# Altium PCB HIVE_SIGHT.PcbDoc (part 4 of 4)
Units mil, origin at the board's own origin, x right, y up, seen from the top; angles counter-clockwise.
Board outline 2755.91 x 4245.66 mil, 4 copper layers (Top, GND, PWR, Bottom), stack 60.394 mil thick; 270 components, 195 nets, 1094 pads, 396 vias.
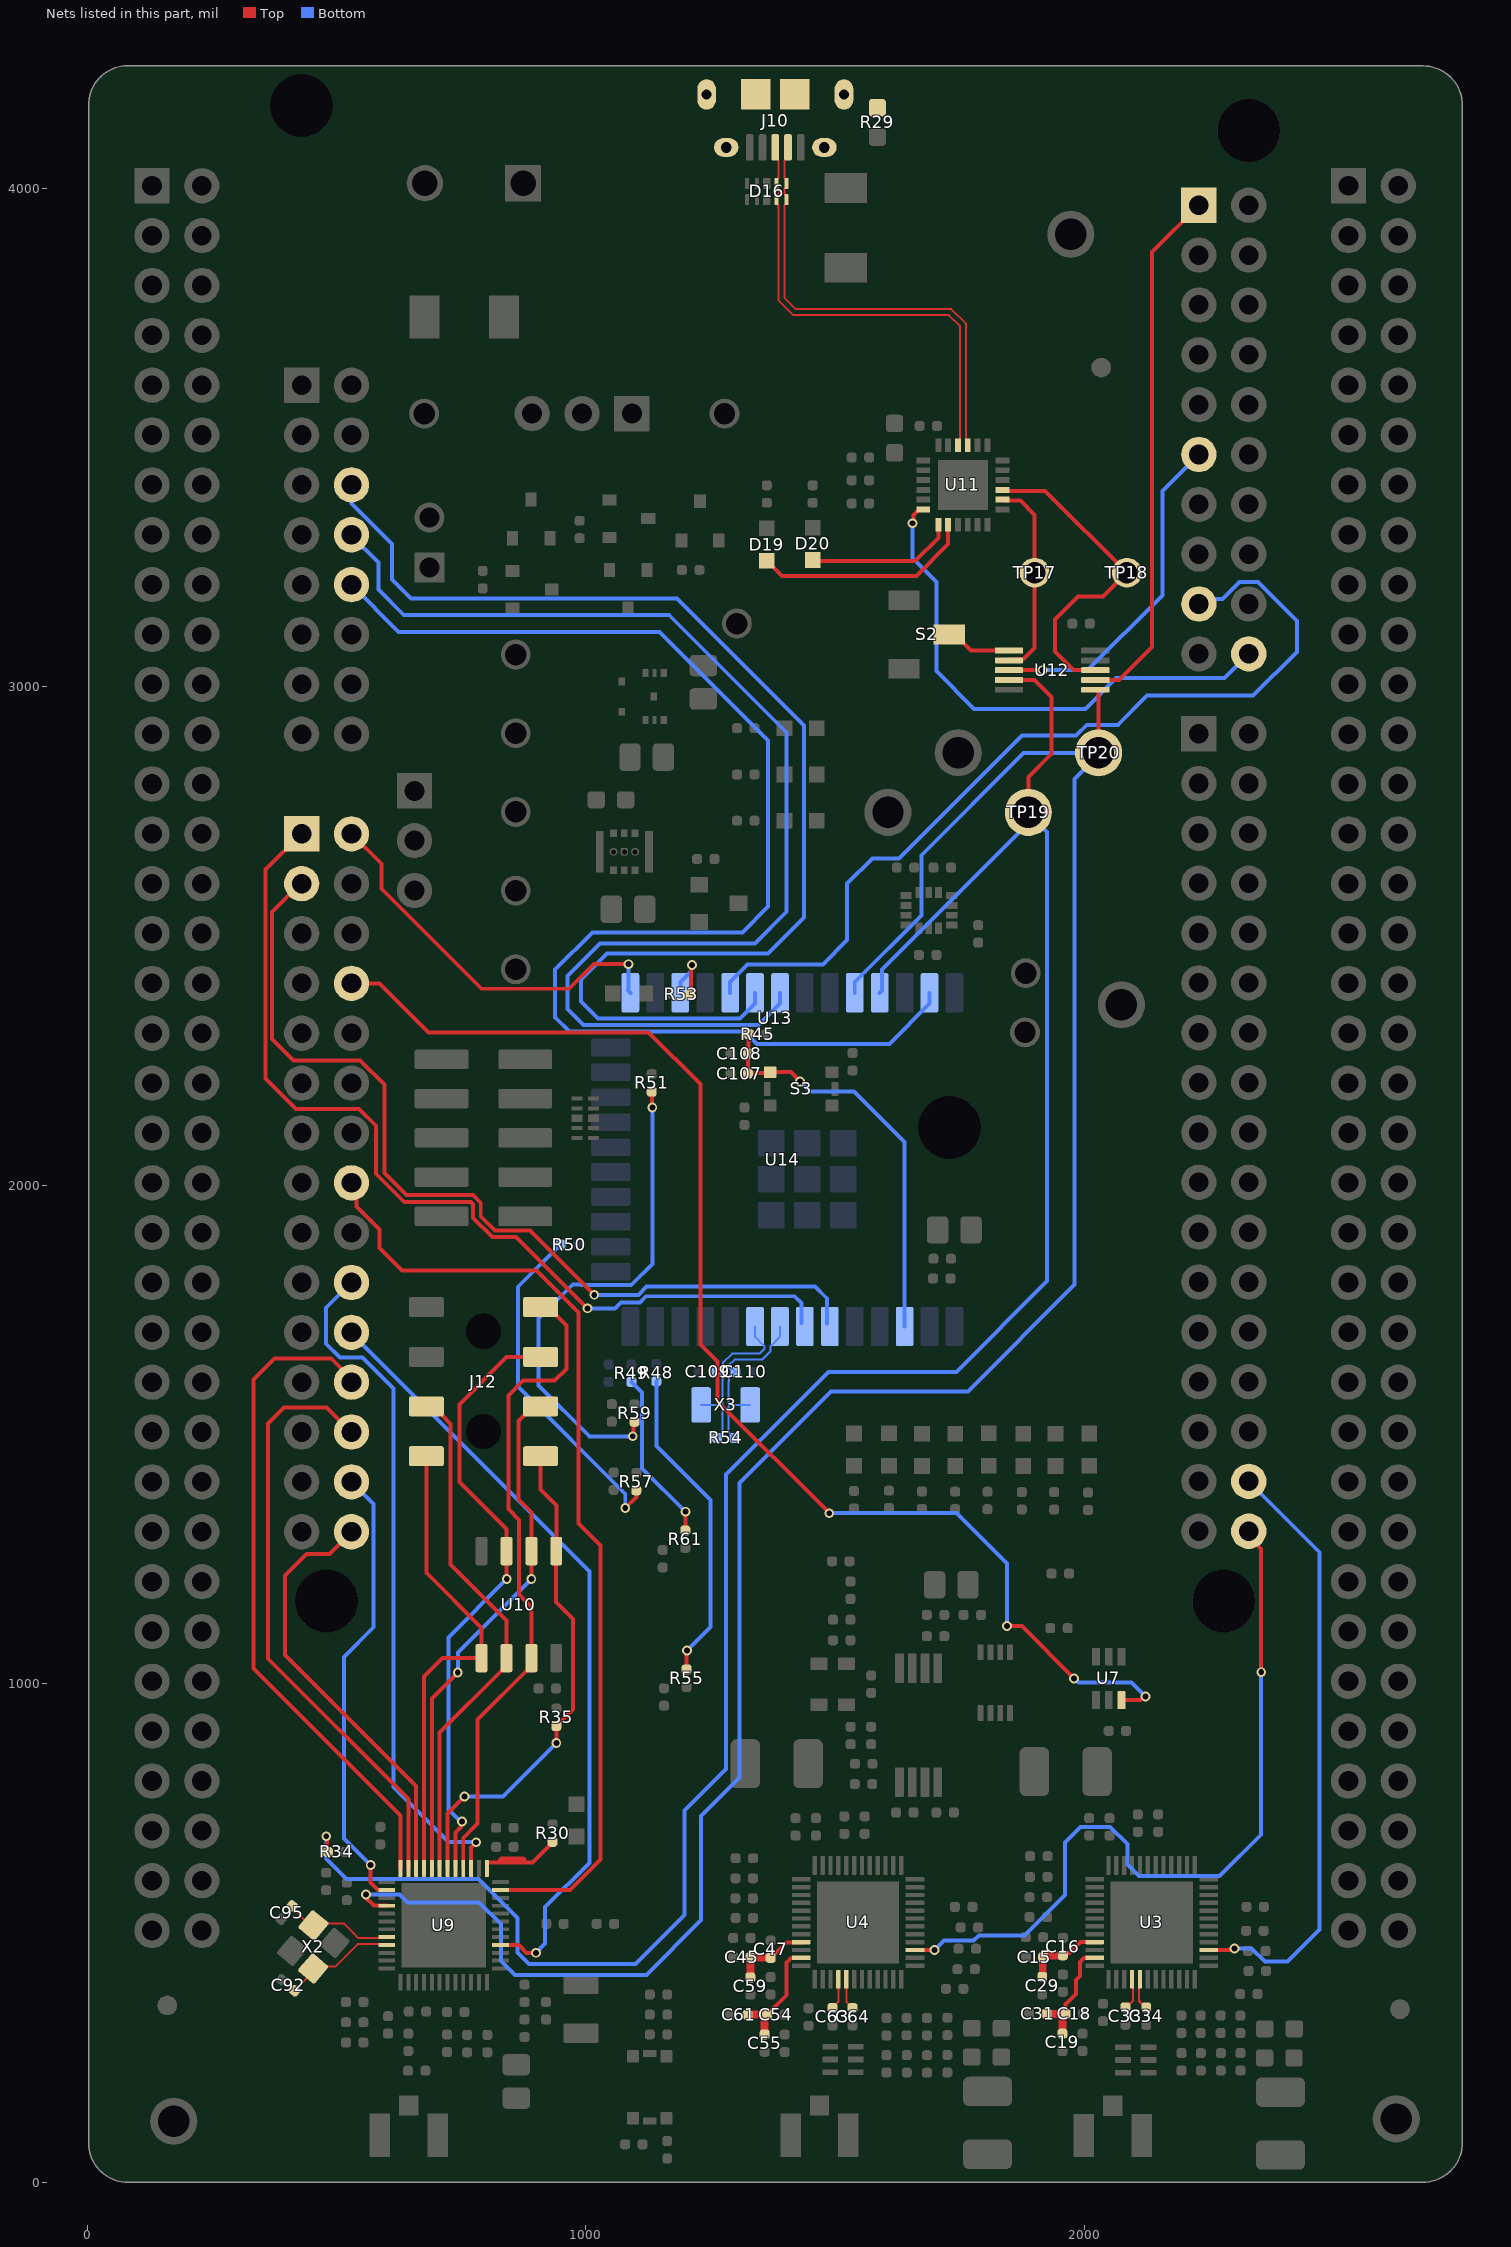
[diagram p6: the nets of this part, all layers, seen from the top]

## Via types
v1: diameter 19.68, hole 11.81, Top to Bottom, tented both sides, 346 vias
v2: diameter 19.68, hole 11.81, Top to Bottom, 18 vias
v3: diameter 19.68, hole 10, Top to Bottom, 16 vias
v4: diameter 15.75, hole 10, Top to Bottom, 12 vias
v5: diameter 20, hole 10, Top to Bottom, 4 vias

## Nets (pads, with @x,y where several pads share a name; then routed paths per layer and width w, separated by ;. In a path a pad name is that pad's centre, name@x,y a point inside that pad or via, vN(x,y) a via of type N, cw(c..) or ccw(c..) an arc to the next point about the centre after c; other vN are vias at no path point) (continued)
NetU7_6: U7.6 U13.CN9-8 | length 2662.8
  Top w8: U13.CN9-8@529.63,2405.33 586.24,2405.33 684.3,2307.27 1125.89,2307.27 1229.44,2203.72 1229.44,1680.73 1263.75,1646.41 1263.75,1566.95 v1(1488.19,1342.52) ; v1(1844.49,1116.14) 1874.39,1116.14 v1(1979.35,1011.18) ; U7.6@2074.42,967.71 2112.2,967.71 2119.36,974.87 v1(2122.52,974.87)
  Bottom w8: v1(1488.19,1342.52) 1743.4,1342.52 1844.49,1241.43 v1(1844.49,1116.14) ; v1(1979.35,1011.18) 1987.68,1002.85 2094.54,1002.85 v1(2122.52,974.87)
NetU9_16: U9.16 U13.CN9-22 | length 1564.2
  Top w8: U9.16@828.74,476.38 865.49,476.38 881.24,460.63 v1(899.61,460.63)
  Bottom w8: U13.CN9-22@529.63,1705.33 529.63,1702.82 1006.93,1225.52 1006.93,640.86 918.26,552.18 918.26,479.28 v1(899.61,460.63)
NetU9_23: U9.23 U13.CN9-16 | length 1949.1
  Top w8: U13.CN9-16@529.63,2005.33 539.9,1995.06 539.9,1957.89 586.3,1911.5 586.3,1874.32 630.93,1829.69 900.85,1829.69 985.25,1745.28 985.25,1321.86 1029.68,1277.43 1029.68,647.79 968.5,586.61 U9.23@828.74,586.61
NetU9_27: U9.27 U13.CN9-20 | length 1384.8
  Top w8: U9.27@769.68,629.92 769.68,672.02 779.84,682.18 v1(779.84,682.55)
  Bottom w8: U13.CN9-20@529.63,1805.33 478.13,1753.82 478.13,1683.18 506.57,1654.74 552.25,1654.74 614.41,1592.58 614.41,793.07 724.38,683.1 779.29,683.1 v1(779.84,682.55)
NetU11_12: U11.12 U13.CN7-20 | length 1061.7
  Top w8: v1(1654.93,3328.36) 1657.17,3330.6 1657.17,3344.67 1668.56,3356.06 U11.12@1676.43,3356.06
  Bottom w8: v1(1654.93,3328.36) 1654.93,3258.84 1702.86,3210.92 1702.86,3031.76 1778.77,2955.84 2002.02,2955.84 2063.8,3017.62 2280.93,3017.62 U13.CN7-20@2329.63,3066.33
NetU12_3: U12.3 U13.CN7-11 | length 682.9
  Top w8: U12.3@1848.7,3033.65 v1(1915.63,3033.65)
  Bottom w8: v1(1915.63,3033.65) 2006.53,3033.65 2156.7,3183.83 2156.7,3393.39 U13.CN7-11@2229.63,3466.33
NetU12_7: U12.7 U13.CN7-1 | length 1066.2
  Top w8: U12.7@2021.93,3013.97 2069.41,3013.97 2136,3080.56 2136,3872.69 U13.CN7-1@2229.63,3966.33
NetU13_CN7-17: U13.CN7-17 U14.29 | length 1809.1
  Bottom w8: U14.29@1289.28,2386.49 1289.28,2408.14 1324.52,2443.38 1475.31,2443.38 1523.93,2492.01 1523.93,2605.64 1574.56,2656.27 1628.34,2656.27 1874.39,2902.32 1983.2,2902.32 2005.02,2924.14 2067.16,2924.14 2125.62,2982.61 2338.58,2982.61 2426.21,3070.23 2426.21,3132.59 2348.04,3210.76 2311.23,3210.76 2277.07,3176.6 2239.9,3176.6 U13.CN7-17@2229.63,3166.33
NetU13_CN8-6: U13.CN8-6 U14.30 | length 2497
  Bottom w8: U13.CN8-6@529.63,3405.33 529.63,3368.16 611.1,3286.7 611.1,3215.36 649.29,3177.17 1182.58,3177.17 1437.32,2922.42 1437.32,2537.43 1365.45,2465.55 1041.97,2465.55 989.72,2413.3 989.72,2369.41 1024.15,2334.98 1309.42,2334.98 1339.28,2364.83 U14.30@1339.28,2386.49
NetU13_CN8-8: U13.CN8-8 U14.31 | length 2467
  Bottom w8: U13.CN8-8@529.63,3305.33 529.63,3303.2 583.49,3249.34 583.49,3195.31 634.96,3143.84 1167.15,3143.84 1402.85,2908.14 1402.85,2549.16 1338.92,2485.24 1028.54,2485.24 963.5,2420.19 963.5,2353.96 995.48,2321.98 1346.42,2321.98 1389.28,2364.83 U14.31@1389.28,2386.49
NetU13_CN8-10: U13.CN8-10 U14.37 | length 2702.4
  Bottom w8: U13.CN8-10@529.63,3205.33 624.38,3110.58 1147.76,3110.58 1365.61,2892.72 1365.61,2559.85 1313.64,2507.87 1012.81,2507.87 938.11,2433.18 938.11,2337.39 966.89,2308.61 1318.97,2308.61 1343.47,2284.11 1608.56,2284.11 1689.28,2364.83 U14.37@1689.28,2386.49
NetU13_CN9-1: U13.CN9-1 U14.7 | length 1915
  Top w8: U13.CN9-1@429.63,2705.33 358.67,2634.36 357.22,2634.36 357.22,2214.9 418.7,2153.42 544.93,2153.42 578.43,2119.92 578.43,2023.91 635.6,1966.73 769,1966.73 773.69,1962.04 773.69,1935.03 812.36,1896.36 860.21,1896.36 v1(1003.03,1753.54)
  Bottom w8: v1(1003.03,1753.54) 1057.88,1753.54 1069.91,1765.56 1108.55,1765.56 1120.71,1777.73 1418.47,1777.73 1432.32,1763.88 U14.7@1432.32,1724.15
NetU13_CN9-2: U13.CN9-2 U14.25 | length 794.6
  Top w8: U13.CN9-2@529.63,2705.33 589.63,2645.33 589.63,2595.17 790.21,2394.59 966.52,2394.59 1015.83,2443.9 v1(1085.63,2443.9)
  Bottom w8: v1(1085.63,2443.9) 1085.63,2392.94 1084.22,2391.54 U14.25@1089.28,2386.49
NetU13_CN9-3: U13.CN9-3 U14.6 | length 1849.8
  Top w8: U13.CN9-3@429.63,2605.33 426.96,2605.33 370.22,2548.59 370.22,2293.42 413.1,2250.54 547.26,2250.54 595.68,2202.12 595.68,2025.04 640.01,1980.71 773.4,1980.71 789.04,1965.08 789.04,1938.07 817.74,1909.36 888.02,1909.36 926.77,1870.61 v1(1016.78,1780.6)
  Bottom w8: v1(1016.78,1780.6) 1105.2,1780.6 1121.63,1797.02 1459.84,1797.02 1483.13,1773.73 U14.6@1483.13,1723.34
RFA_N: C34.2 U3.17 | length 64
  Top w4: U3.17@2111.33,407.35 2109.45,405.48 2109.45,363.97 2122.26,351.16 C34.2@2124.02,351.16
RFA_P: C33.2 U3.16 | length 62.2
  Top w4: C33.2@2084.48,351.28 2097.45,364.25 2097.45,405.48 U3.16@2095.58,407.35
RFB_N: C64.2 U4.17 | length 62.3
  Top w4: U4.17@1522.23,407.35 1522.61,406.98 1522.61,362.61 C64.2@1534.88,350.33
RFB_P: C63.2 U4.16 | length 62.2
  Top w4: C63.2@1494.58,350.05 1506.48,361.96 U4.16@1506.48,407.35
RST_A#: U3.27 U13.CN10-32 | length 1256.6
  Top w8: U3.27@2249.12,466.41 2249.33,466.62 2298.32,466.62 v1(2301.18,469.49) ; U13.CN10-32@2329.63,1406.33 2333.86,1402.1 U13.CN10-32@2355.93,1424.16
  Bottom w8: v1(2301.18,469.49) 2335.17,469.49 2361.8,442.87 2407.1,442.87 2471.8,507.57 2471.8,1264.16 U13.CN10-32@2329.63,1406.33
RST_B#: U4.27 U13.CN10-34 | length 1577.1
  Top w8: U4.27@1660.02,466.41 1660.33,466.71 1698.75,466.71 v1(1699.32,466.14) ; U13.CN10-34@2329.63,1306.33 2329.63,1296.03 2354.71,1270.95 2354.71,1196.87 v1(2354.71,1023.64)
  Bottom w8: v1(1699.32,466.14) 1718.41,485.24 1777.93,485.24 1788.2,495.51 1879.94,495.51 1960.98,576.55 1960.98,681.62 1992.59,713.23 2051.53,713.23 2086.08,678.69 2086.08,637.55 2109.05,614.58 2271.1,614.58 2354.71,698.19 v1(2354.71,1023.64)
RXT_USB: D20.K U11.13 | length 287.7
  Top w8: D20.K@1455,3252.54 1660.43,3252.54 1706.94,3299.06 U11.13@1706.94,3315.55
SHIELD_USB: J10.6 J10.7 J10.8 J10.9 J10.10 J10.11 R29.2
SPI_CLK: J12.7 U9.31 U10.6 | length 1058.6
  Top w8: J12.7@679.85,1556.87 694.8,1556.87 710.88,1540.79 710.88,1539.12 728.35,1521.65 728.35,1239.64 840.69,1127.29 U10.6@840.69,1052.01 840.69,1035.28 832.88,1027.47 831.6,1027.47 706.69,902.56 U9.31@706.69,629.92
SPI_CS0: J12.1 R35.1 U9.30 U10.1 | length 1003.9
  Top w8: U9.30@722.44,629.92 722.44,740.01 v1(756.73,774.31) ; J12.1@908.98,1456.87 908.98,1389.84 940.69,1358.13 U10.1@940.69,1266.58 940.35,1266.23 940.35,1164.23 974.41,1130.17 974.41,949.09 R35.1@940.67,915.35 v1(940.67,881.46)
  Top w16: R35.1@940.67,915.35 R35.1@940.67,915.56
  Bottom w8: v1(756.73,774.31) 833.51,774.31 v1(940.67,881.46)
SPI_D: J12.8 U9.33 U10.5 | length 973.2
  Top w8: U9.33@675.2,629.92 675.2,1014.83 712.38,1052.01 U10.5@790.69,1052.01 790.69,1112.2 679.85,1223.05 J12.8@679.85,1456.87 J12.8@675.2,1452.22
SPI_HD: J12.4 U9.28 U10.7 | length 1318
  Top w8: U9.28@753.94,629.92 753.94,691.33 782.67,720.07 782.67,928.7 881.44,1027.47 882.88,1027.47 890.69,1035.28 U10.7@890.69,1052.01 890.69,1154.74 866.14,1179.3 866.14,1329.32 844.49,1350.98 844.49,1578.74 874.02,1608.27 937.01,1608.27 960.75,1632.01 960.75,1719.24 940.06,1739.93 923.97,1756.02 J12.4@909.02,1756.02
SPI_Q: J12.2 U9.32 U10.2 | length 1047.9
  Top w8: U9.32@690.94,629.92 690.94,970.88 v1(742.96,1022.9) ; v1(890.45,1210.26) 890.45,1261.43 891.32,1262.31 891.32,1343.77 864.94,1370.15 864.94,1527.75 894.06,1556.87 J12.2@909.02,1556.87
  Bottom w8: v1(742.96,1022.9) 742.96,1062.78 v1(890.45,1210.26)
SPI_WP: J12.3 U9.29 U10.3 | length 1238.4
  Top w8: U9.29@738.19,629.92 738.19,702.23 749.32,713.36 749.32,722.28 v1(751.15,724.11) ; v1(841.13,1210.23) 840.91,1210.45 840.91,1266.36 U10.3@840.69,1266.58 840.69,1310.88 746.06,1405.51 746.06,1561.04 841.04,1656.02 J12.3@909.02,1656.02
  Bottom w8: 724.12,747.48 733.95,737.66 734.44,737.66 747.99,724.11 v1(751.15,724.11) ; 724.12,749.02 724.12,1093.23 v1(841.13,1210.23)
TXT_USB: D19.K U11.14 | length 431.6
  Top w8: D19.K@1362.91,3253.15 1393.06,3223 1663.22,3223 1726.63,3286.41 U11.14@1726.63,3315.55
UART_SEL: S2.2 U12.1 | length 133.5
  Top w8: S2.2@1728.62,3105.33 1740.43,3105.33 1772.73,3073.02 U12.1@1848.7,3073.02
UART_USB_RX: TP17.1 U11.20 U12.2 | length 405.8
  Top w8: U11.20@1835.88,3375.75 1837.79,3373.84 1871.66,3373.84 1900.26,3345.24 TP17.1@1900.26,3229.17 1900.26,3078.45 1877.06,3055.24 1850.6,3055.24 U12.2@1848.7,3053.34
UART_USB_TX: TP18.1 U11.21 U12.8 | length 661.5
  Top w8: U11.21@1835.88,3395.43 1837.79,3393.53 1920.9,3393.53 TP18.1@2085.26,3229.17 2037.73,3181.65 1987.58,3181.65 1941.35,3135.42 1941.35,3070.84 1978.54,3033.65 U12.8@2021.93,3033.65
USB_D_N: D16.1 D16.10 J10.2 U11.3 | length 941.9
  Top w4: J10.2@1405.46,4082.27 1405.46,4062.52 1398.2,4055.26 1398.2,4021.35 1402.04,4017.5 D16.1@1402.04,4010.32 1402.04,4003.13 1398.2,3999.29 1398.2,3988.47 1402.04,3984.63 D16.10@1402.04,3977.45 1402.04,3970.26 1398.2,3966.42 1398.2,3780.89 1421.03,3758.07 1733.23,3758.07 1762.16,3729.14 1762.16,3488.84 U11.3@1766,3485
USB_D_P: D16.2 D16.9 J10.3 U11.4 | length 941.5
  Top w4: J10.3@1379.87,4082.27 1379.87,4062.52 1386.2,4056.19 1386.2,4021.35 1382.36,4017.5 D16.2@1382.36,4010.32 1382.36,4003.13 1386.2,3999.29 1386.2,3988.47 1382.36,3984.63 D16.9@1382.36,3977.45 1382.36,3970.26 1386.2,3966.42 1386.2,3775.92 1416.06,3746.07 1728.26,3746.07 1750.16,3724.17 1750.16,3488.84 U11.4@1746.31,3485
USER_LED: R30.2 U9.25 | length 203.9
  Top w8: U9.25@801.18,629.92 801.18,641.8 801.24,641.87 831.44,641.87 872.39,641.87 893.16,641.87 R30.2@934.91,683.62
  Top w16: 831.44,646.15 872.39,646.15
VDDCLK_A: C15.1 C16.2 C29.1 U3.9 | length 156.2
  Top w8: C29.1@1915.43,412.38 C29.1@1916.4,413.34 ; C15.1@1916.4,450.79 C15.1@1917.36,451.76 ; C16.2@1956.79,455.69 1961.27,460.17 1969.76,460.17 1991.75,482.16 U3.9@2020.77,482.16
  Top w16: C29.1@1916.4,413.34 C15.1@1916.4,450.79 ; C15.1@1917.36,451.76 1919.36,453.76 1923.36,453.76 1925.29,455.69 C16.2@1956.79,455.69
VDDCLK_B: C45.1 C47.2 C59.1 U4.9 | length 155.3
  Top w8: C47.2@1370.58,450.46 1370.79,450.46 1402.16,481.83 1431.35,481.83 U4.9@1431.68,482.16
  Top w16: C59.1@1329.8,411.52 1330.1,411.82 1330.1,451.39 C45.1@1330.4,451.68 1331.01,451.07 1369.97,451.07 C47.2@1370.58,450.46
VDDVCO_A: C18.2 C19.2 C31.1 U3.11 | length 229.6
  Top w8: C18.2@1962.35,338.35 1962.35,357.68 1967.04,362.36 1967.42,362.36 1983.35,378.3 1983.35,406.23 1991.37,414.24 1991.37,442.17 1999.53,450.33 2020.44,450.33 U3.11@2020.77,450.66
  Top w16: C31.1@1924.23,338.35 1955.99,338.35 C18.2@1962.35,338.35 1955.99,331.99 C19.2@1955.99,298.5
VDDVCO_B: C54.2 C55.2 C61.1 U4.11 | length 234.5
  Top w8: C54.2@1363.53,336.49 1402.85,375.81 1402.85,441.34 1411.84,450.33 1431.35,450.33 U4.11@1431.68,450.66
  Top w16: C61.1@1324.23,336.49 C54.2@1363.53,336.49 1358.57,331.53 C55.2@1358.57,297.14
VSPI_CLK: U9.35 U13.CN9-26 | length 1210.8
  Top w8: U13.CN9-26@529.63,1505.33 479.94,1555.02 394.49,1555.02 362.15,1522.67 362.15,1050.57 643.7,769.02 U9.35@643.7,629.92
VSPI_CS0: U9.34 U13.CN9-30 | length 866.5
  Top w8: U13.CN9-30@529.63,1305.33 485.2,1260.89 439.39,1260.89 396.29,1217.79 396.29,1058.44 659.45,795.28 U9.34@659.45,629.92
VSPI_D: U9.36 U13.CN9-24 | length 1341.1
  Top w8: U13.CN9-24@529.63,1605.33 529.63,1612.62 489.11,1653.15 375.49,1653.15 333.16,1610.82 333.16,1030.55 627.95,735.76 U9.36@627.95,629.92
VSPI_Q: U9.38 U13.CN9-28 | length 907.2
  Top w8: v1(568.22,636.51) 568.22,601.6 583.14,586.68 600.33,586.68 U9.38@600.39,586.61
  Bottom w8: U13.CN9-28@529.63,1405.33 574.07,1360.89 574.07,1113.73 514.76,1054.43 514.76,689.96 v1(568.22,636.51)
W_32K_X_N: C109.2 R54.2 U14.9 X3.1 | length 361.7
  Bottom w4: X3.1@1231.16,1559.77 1272.03,1559.77 ; R54.2@1264.31,1493.48 1264.31,1493.61 1274.37,1503.67 1274.37,1557.43 1272.03,1559.77 ; U14.9@1339.28,1717.19 1339.28,1696.38 1355.83,1679.82 1355.93,1679.82 1358.28,1677.48 1358.28,1672.7 1348.23,1662.65 1293.33,1662.65 1274.79,1644.11 1274.79,1634.42 1271.75,1631.38 1267.24,1631.38 C109.2@1261.71,1625.85 1267.24,1620.32 1271.75,1620.32 1274.79,1617.28 1274.79,1611.88 1274.37,1611.46 1274.37,1562.12 1272.03,1559.77
W_32K_X_P: C110.2 R54.1 U14.8 X3.2 | length 362.3
  Bottom w4: R54.1@1297.97,1493.48 1286.37,1505.08 1286.37,1557.43 1288.71,1559.77 ; X3.2@1329.58,1559.77 1288.71,1559.77 ; U14.8@1389.28,1717.19 1389.28,1696.38 1372.73,1679.82 1372.62,1679.82 1370.28,1677.48 1370.28,1667.73 1353.2,1650.65 1298.3,1650.65 1286.79,1639.14 1286.79,1634.42 1289.83,1631.38 1294.35,1631.38 C110.2@1299.88,1625.85 1294.35,1620.32 1289.83,1620.32 1286.79,1617.28 1286.79,1606.91 1286.37,1606.49 1286.37,1562.12 1288.71,1559.77
W_CHIP_PU: C107.2 C108.2 R45.1 S3.4 U14.3 | length 823.2
  Top w8: C107.2@1324.81,2224.36 C107.2@1325.51,2225.06 ; R45.1@1326.88,2303.64 1326.02,2302.78 1326.02,2265.38 C108.2@1325.15,2264.52 1324.98,2264.34 1324.98,2225.59 C107.2@1325.51,2225.06 ; v1(1429.28,2208.82) 1410.95,2227.16 S3.4@1369.6,2227.16 1368.2,2225.76 1326.21,2225.76 C107.2@1325.51,2225.06
  Bottom w8: v1(1429.28,2208.82) 1449.18,2188.92 1537.62,2188.92 1639.28,2087.26 U14.3@1639.28,1717.19
W_USER_LED: R53.2 U14.27 | length 125.5
  Top w8: R53.2@1208.75,2383.94 1210.74,2385.93 1210.74,2440.29 v1(1212.74,2442.28)
  Bottom w8: U14.27@1189.28,2386.49 1189.28,2408.14 1210.5,2429.36 1210.5,2440.04 v1(1212.74,2442.28)
WROOM_Rx: TP20.1 U9.40 U12.6 U14.34 | length 4619.5
  Top w8: v1(559.08,577.79) 559.08,570.56 574.47,555.18 600.33,555.18 U9.40@600.39,555.12 ; U12.6@2021.93,2994.28 2026.41,2994.28 2028.32,2992.38 TP20.1@2028.32,2867.9
  Bottom w8: v1(559.08,577.79) 625.88,577.79 641.8,561.87 785.73,561.87 829.33,518.26 829.33,444.35 857.72,415.97 1121.07,415.97 1231.16,526.06 1231.16,735.1 1308.04,811.97 1308.04,1403.45 1491.2,1586.61 1766.05,1586.61 1980.3,1800.87 1980.3,2815.54 2028.32,2863.55 TP20.1@2028.32,2867.9 1878.24,2867.9 1672.72,2662.38 1672.72,2541.58 1539.28,2408.14 U14.34@1539.28,2386.49
WROOM_TCK: R50.2 R57.1 | length 696.6
  Top w8: v1(1078.91,1353.21) 1101.04,1375.34 R57.1@1101,1388.34
  Bottom w8: R50.2@948.83,1881.5 864.11,1796.78 864.11,1596.25 1078.91,1381.45 v1(1078.91,1353.21)
WROOM_TDI: R49.2 R61.1 | length 343.7
  Top w8: R61.1@1199.41,1307.84 1199.74,1308.17 1199.74,1345.25 v1(1200.07,1345.57)
  Bottom w8: R49.2@1090.99,1605.97 1112.71,1584.24 1112.71,1432.6 v1@1199.9,1345.41
WROOM_TDO: R51.2 R59.1 | length 1016.6
  Top w8: v1(1093.87,1496.87) 1095.75,1498.75 1095.75,1523.96 R59.1@1097.68,1525.89 ; R51.2@1132.01,2188.14 1132.62,2187.53 1132.62,2157.27 v1(1133.23,2156.66)
  Bottom w8: v1(1093.87,1496.87) 1007.17,1496.87 905.06,1598.98 905.06,1732.72 974.13,1801.79 989.74,1801.79 991.4,1800.13 1090.93,1800.13 1133.23,1842.43 v1(1133.23,2156.66)
WROOM_TMS: R48.2 R55.1 | length 643.1
  Top w8: R55.1@1201.85,1029.15 1202.18,1029.48 1202.18,1066.55 v1(1202.5,1066.88)
  Bottom w8: R48.2@1141.22,1607.07 1141.22,1477.73 1249.98,1368.98 1249.98,1114.36 v1(1202.5,1066.88) v1@1202.34,1066.72
WROOM_Tx: R34.2 TP19.1 U12.4 U14.35 | length 4478.2
  Top w8: v1(479.19,694.56) 480.69,693.06 480.69,664.57 R34.2@482.19,663.07 ; U12.4@1848.7,3013.97 1899.62,3013.97 1934.04,2979.55 1934.04,2865.97 1887.56,2819.49 TP19.1@1887.56,2748.25
  Bottom w8: v1(479.19,694.56) 479.19,648.99 519.39,608.79 784.68,608.79 862.74,530.73 862.74,460.85 885.6,437.99 1099.2,437.99 1197.83,536.63 1197.83,746.06 1281.26,829.49 1281.26,1253.09 1281.26,1420.04 1487.07,1625.85 1743.19,1625.85 1925.2,1807.86 1925.2,2708.73 TP19.1@1887.56,2746.37 ; U14.35@1589.28,2386.49 1593.51,2390.72 1593.51,2433.17 1887.56,2727.22 TP19.1@1887.56,2746.37 ; TP19.1@1887.56,2748.25 TP19.1@1887.56,2746.37
XTAL_N: C95.2 U9.44 X2.1 | length 220.2
  Top w4: C95.2@405.44,556.22 434.11,527.56 X2.1@453.84,527.56 ; X2.1@453.84,518.7 454.83,519.68 513.84,519.68 533.06,500.46 543.27,490.25 598.52,490.25 U9.44@600.39,492.13
XTAL_P: C92.2 U9.45 X2.3 | length 220.5
  Top w4: C92.2@420.85,390.73 453.04,422.92 X2.3@453.04,429.13 ; X2.3@452.76,429.13 456.69,433.07 497.05,433.07 542.23,478.25 598.52,478.25 U9.45@600.39,476.38
pads on no net: D1.2 D2.2 D16.4 D16.5 D16.6 D16.7 FID1.1 FID1.2 FID2.1 FID2.2 FID3.1 FID3.2 J10.4 J11.1 J12. S1.5 S1.6 S3.5 S3.6 T1.6 T2.6 U3.1 U3.2 U3.13 U3.14 U4.1 U4.2 U4.13 U4.14 U5.5 U5.7 U6.3 U8.10 U8.11 U8.12 U9.14 U9.15 U9.22 U9.24 U9.39 U9.42 U11.1 U11.10 U11.15 U11.16 U11.17 U11.19 U11.22 U11.23 U11.24 U13.0 U13.CN7-3 U13.CN7-5 U13.CN7-6 U13.CN7-7 U13.CN7-9 U13.CN7-10 U13.CN7-12 U13.CN7-13 U13.CN7-14 U13.CN7-15 U13.CN7-16 U13.CN7-19 U13.CN8-1 U13.CN8-2 U13.CN8-3 U13.CN8-4 U13.CN8-5 U13.CN8-12 U13.CN8-14 U13.CN8-15 U13.CN8-16 U13.CN9-5 U13.CN9-7 U13.CN9-9 U13.CN9-11 U13.CN9-12 U13.CN9-13 U13.CN9-14 U13.CN9-15 U13.CN9-17 U13.CN9-19 U13.CN9-21 U13.CN9-23 U13.CN9-25 U13.CN9-27 U13.CN9-29 U13.CN10-1 U13.CN10-2 U13.CN10-3 U13.CN10-4 U13.CN10-5 U13.CN10-8 U13.CN10-14 U13.CN10-15 U13.CN10-17 U13.CN10-22 U13.CN10-24 U13.CN10-27 U13.CN10-31 U13.CN11-1 U13.CN11-2 U13.CN11-3 U13.CN11-4 U13.CN11-5 U13.CN11-6 U13.CN11-7 U13.CN11-8 U13.CN11-9 U13.CN11-10 U13.CN11-11 U13.CN11-12 U13.CN11-13 U13.CN11-14 U13.CN11-15 U13.CN11-16 U13.CN11-17 U13.CN11-18 U13.CN11-19 U13.CN11-20 U13.CN11-21 U13.CN11-22 U13.CN11-23 U13.CN11-24 U13.CN11-25 U13.CN11-26 U13.CN11-27 U13.CN11-28 U13.CN11-29 U13.CN11-30 U13.CN11-31 U13.CN11-32 U13.CN11-33 U13.CN11-34 U13.CN11-35 U13.CN11-36 U13.CN11-37 U13.CN11-38 U13.CN11-39 U13.CN11-40 U13.CN11-41 U13.CN11-42 U13.CN11-43 U13.CN11-44 U13.CN11-45 U13.CN11-46 U13.CN11-47 U13.CN11-48 U13.CN11-49 U13.CN11-50 U13.CN11-51 U13.CN11-52 U13.CN11-53 U13.CN11-54 U13.CN11-55 U13.CN11-56 U13.CN11-57 U13.CN11-58 U13.CN11-59 U13.CN11-60 U13.CN11-61 U13.CN11-62 U13.CN11-63 U13.CN11-64 U13.CN11-65 U13.CN11-66 U13.CN11-67 U13.CN11-68 U13.CN11-69 U13.CN11-70 U13.CN11-71 U13.CN11-72 U13.CN12-1 U13.CN12-2 U13.CN12-3 U13.CN12-4 U13.CN12-5 U13.CN12-6 U13.CN12-7 U13.CN12-8 U13.CN12-9 U13.CN12-10 U13.CN12-11 U13.CN12-12 U13.CN12-13 U13.CN12-14 U13.CN12-15 U13.CN12-16 U13.CN12-17 U13.CN12-18 U13.CN12-19 U13.CN12-20 U13.CN12-21 U13.CN12-22 U13.CN12-23 U13.CN12-24 U13.CN12-25 U13.CN12-26 U13.CN12-27 U13.CN12-28 U13.CN12-29 U13.CN12-30 U13.CN12-31 U13.CN12-32 U13.CN12-33 U13.CN12-34 U13.CN12-35 U13.CN12-36 U13.CN12-37 U13.CN12-38 U13.CN12-39 U13.CN12-40 U13.CN12-41 U13.CN12-42 U13.CN12-43 U13.CN12-44 U13.CN12-45 U13.CN12-46 U13.CN12-47 U13.CN12-48 U13.CN12-49 U13.CN12-50 U13.CN12-51 U13.CN12-52 U13.CN12-53 U13.CN12-54 U13.CN12-55 U13.CN12-56 U13.CN12-57 U13.CN12-58 U13.CN12-59 U13.CN12-60 U13.CN12-61 U13.CN12-62 U13.CN12-63 U13.CN12-64 U13.CN12-65 U13.CN12-66 U13.CN12-67 U13.CN12-68 U13.CN12-69 U13.CN12-70 U13.CN12-71 U13.CN12-72 U14.4 U14.5 U14.10 U14.11 U14.12 U14.17 U14.18 U14.19 U14.20 U14.21 U14.22 U14.24 U14.26 U14.28 U14.32 U14.33 U14.36

## Polygon pours and split planes (outlines as drawn)
GND on Top "GND_L01_P517" (solid, pour order 517): 619.33,500.18 619.33,470.05 562.51,470.05 449.17,356.72 325.21,356.72 325.21,587.94 465.1,587.94 552.86,500.18
GND on Top "GND_L01_P528" (solid, pour order 528): 738.87,363.9 738.87,280.51 828.74,280.51 828.74,328.74 793.16,364.34
GND on Top "GND_L01_P527" (solid, pour order 527): 897.64,191.95 897.64,122.73 885.53,110.63 835.61,110.63 822.83,123.4 822.83,191.91
GND on Top "GND_L01_P526" (solid, pour order 526): 682.19,137.53 747.46,137.53 757.13,127.86 757.13,61.18 746.5,50.56 682.24,50.56
GND on Top "GND_L01_P525" (solid, pour order 525): 606.96,137.54 543.61,137.54 535.17,129.1 535.17,59.08 543.7,50.56 606.96,50.56
3V3 on Top "3V3_L01_P524" (solid, pour order 524): 951.35,275 704.9,275 704.9,213.4 951.64,213.4
3V3 on Top "3V3_L01_P510" (solid, pour order 510): 966.35,2715.46 966.35,2801.34 1038,2801.33 1038,2739.46 1038,2715.46
GND on Top "GND_L01_P522" (solid, pour order 522): 1219.84,2828.65 1219.84,2917.54 1148.23,2917.54 1144.56,2921.21 1144.56,2943.11 1131.66,2943.11 1131.66,2828.4
GND on Top "GND_L01_P523" (solid, pour order 523): 1269.71,2949.36 1172.29,2949.52 1111.38,2949.52 1111.38,3012.51 1270.1,3012.52
5V_PROT on Top "5V_PROT_L01_P519" (solid, pour order 519): 1149.76,3020.04 1179.45,3020.09 1270.4,3020.09 1270.4,3067.27 1183.59,3067.27 1183.59,3044.18 1175.19,3035.77 1149.67,3035.77
3V3_INT on Top "3V3_INT_L01_P465" (solid, pour order 465): 1022.96,2825.26 1126.08,2825.26 1126.08,2941.55 1107.97,2941.55 1107.97,2922.51 1100.38,2922.51 1100.38,2965.03 1022.96,2965.03
1V8 on Top "1V8_L01_P502" (solid, pour order 502): 1190.99,2519.7 1091.54,2519.7 1091.54,2640.75 1115,2640.75 1115,2677 1115,2711.82 1190.99,2711.82
GND on Top "GND_L01_P521" (solid, pour order 521): 1067.91,2642.72 1085.63,2642.72 1085.63,2519.7 994.6,2519.7 994.6,2613.19 1063.98,2613.19 1067.91,2617.13
GND on Top "GND_L01_P503" (solid, pour order 503): 1098.79,2678.35 1045,2678.35 1045,2802.04 1131.32,2802.04 1131.32,2754.16 1098.61,2721.44
GND on Top "GND_L01_P466" (solid, pour order 466): 1769.94,564.78 1769.94,422.96 1739.67,392.69 1739.67,375.96 1705.77,341.86 1594.95,341.16 1591.18,337.37 1591.18,322.31 1594.86,318.64 1743.38,318.64 1825.98,405.4 1825.98,531.53 1792.57,564.85
GND on Top "GND_L01_P495" (solid, pour order 495): 1802.93,2505.66 1716.51,2505.66 1716.51,2528.71 1680.93,2528.71 1680.93,2499.66 1684.93,2495.66 1684.93,2451.64 1802.93,2451.64
GND on Top "GND_L01_P494" (solid, pour order 494): 1654.93,2534.66 1654.93,2596.04 1595.76,2596.04 1595.76,2534.66
NetU1_3 on Top "NETU1_3_L01_P520" (solid, pour order 520): 1023.59,2991.71 1094.15,2991.71 1100.38,2997.94 1100.38,3009.51 1110.91,3020.04 1125.95,3020.04 1125.95,3040.78 1023.45,3041.82
NetU2_1 on Top "NETU2_1_L01_P504" (solid, pour order 504): 1017.72,2710.63 1017.72,2618.6 1062.01,2618.6 1062.01,2639.76 1038,2639.76 1038,2710.63
GND on Top "GND_L01_P468" (solid, pour order 468): 2346.17,561.11 2349.91,564.85 2397.53,564.85 2408.86,553.51 2408.86,412.11 2320.76,324.49 2187.05,324.49 2182.97,328.63 2183.19,343.22 2186.02,346.01 2307.25,346.01 2346.86,385.62
3V3 on Top "3V3_L01_P477" (solid, pour order 477): 1670.84,984.98 1688.65,984.98 1688.65,1072.17 1697.19,1080.71 1697.19,1143.67 1725.65,1172.13 1725.65,1225.52 1721.24,1229.92 1651.46,1229.92 1632.46,1210.92 1632.46,1109.93 1654.92,1087.48 1671.02,1071.37
GND on Top "GND_L01_P490" (solid, pour order 490): 1775.22,1059.12 1707.38,1059.14 1707.38,1145.95 1733,1171.58 1733,1244.73 1754.36,1266.1 1773.15,1266.09 1793.52,1245.72 1793.52,1173.6 1775.21,1155.29
3V3 on Top "3V3_L01_P474" (solid, pour order 474): 2040.92,985.63 2040.98,951.14 1985.2,895.36 1985.2,772.29 2064.92,772.29 2066.25,873.29 2066.25,940.46 2056.74,949.97 2056.74,985.44
GND on Top "GND_L01_P467" (solid, pour order 467): 1907.47,521.47 1901.07,515.07 1848.89,515.07 1841.86,522.1 1841.86,665.18 1852.76,676.07 1896.45,676.07 1907.17,665.37
3V3 on Top "3V3_L01_P476" (solid, pour order 476): 1853.79,324.25 1849.58,328.45 1815.78,328.45 1811.75,324.43 1811.75,238.49 1791.26,218 1758.49,218 1752.13,211.63 1752.13,145.11 1756.37,140.86 1898.53,140.86 1924.36,166.69 1924.36,278.57 1913.53,289.4 1876.87,289.4 1853.79,312.49
3V3 on Top "3V3_L01_P493" (solid, pour order 493): 1593.56,3447 1593.56,3504 1687,3504 1687,3539.72 1742.02,3539.72 1742.02,3447
GND on Top "GND_L01_P472" (solid, pour order 472): 2094.37,137.71 2169.51,137.71 2183.89,123.33 2183.89,63.38 2171.35,50.84 2094.38,50.84
GND on Top "GND_L01_P501" (solid, pour order 501): 806.99,3664 897.4,3664 897.4,3820 806.99,3820
SHIELD_USB on Top "SHIELD_USB_L01_P492" (solid, pour order 492): 1210.58,4246.67 1210.58,4046.84 1309.67,4046.84 1309.67,4118.91 1447.78,4118.91 1447.78,4046.84 1549.16,4046.84 1549.16,4134.34 1610.22,4134.34 1610.22,4246.52
GND on Top "GND_L01_P491" (solid, pour order 491): 1443.79,3869.65 1443.79,3779.23 1599.79,3779.23 1599.79,3869.65
3V3 on Top "3V3_L01_P475" (solid, pour order 475): 2485.54,328.33 2401.83,328.33 2390.72,317.36 2390.72,223.61 2383.56,216.46 2346.05,216.46 2335.2,205.61 2335.2,143.81 2482.28,143.81 2526.42,187.95 2526.42,287.45
GND on Top "GND_L01_P473" (solid, pour order 473): 1263.75,515.07 1308.63,515.07 1313.93,520.37 1313.93,662.18 1308.04,668.08 1257,668.08 1249.98,661.06 1249.98,528.85
GND on Top "GND_L01_P471" (solid, pour order 471): 2019.36,137.7 1944.02,137.69 1927.74,121.41 1927.74,66.42 1943.44,50.73 2019.44,50.76
GND on Top "GND_L01_P470" (solid, pour order 470): 1506.02,138.29 1571.29,138.29 1580.96,128.62 1580.96,61.94 1570.33,51.31 1506.07,51.31
GND on Top "GND_L01_P469" (solid, pour order 469): 1430.79,138.3 1367.44,138.3 1359,129.86 1359,59.83 1367.52,51.31 1430.79,51.31
GND on GND (split plane): 80.93,4225.94 2677.25,4225.94 2677.52,4225.92 2679.35,4225.74 2679.35,4225.76 2679.62,4225.74 2680.05,4225.79 2685.93,4225.46 2692.42,4224.35 2698.75,4222.53 2704.84,4220.01 2710.6,4216.82 2715.97,4213.01 2720.88,4208.62 2725.27,4203.71 2729.08,4198.34 2732.27,4192.58 2734.79,4186.49 2736.61,4180.16 2737.72,4173.67 2738.05,4167.69 2737.99,4167.09 2737.99,79.12 2738.04,78.62 2737.71,72.75 2736.61,66.25 2734.79,59.92 2732.27,53.84 2729.08,48.07 2725.27,42.7 2720.88,37.79 2715.97,33.4 2710.6,29.59 2704.83,26.41 2698.75,23.89 2692.42,22.06 2685.93,20.96 2680.05,20.63 2679.62,20.68 2679.35,20.65 2679.35,20.68 2677.52,20.5 2677.25,20.47 81.53,20.47 81.08,20.52 81.08,20.47 80.92,20.47 80.69,20.45 74.5,20.8 68.01,21.9 61.68,23.73 55.6,26.25 49.83,29.43 44.46,33.24 39.55,37.63 35.16,42.54 31.35,47.92 28.16,53.68 25.64,59.76 23.82,66.09 22.72,72.59 22.38,78.59 22.44,79.16 22.28,4167.3 22.23,4167.88 22.56,4173.87 23.67,4180.37 25.49,4186.7 28.01,4192.78 31.2,4198.55 35.01,4203.92 39.4,4208.83 44.31,4213.22 49.68,4217.03 55.44,4220.21 61.53,4222.74 67.86,4224.56 74.35,4225.66 80.35,4226
3V3 on PWR (split plane): 158 vertices, not listed, extent 22.23,20.47 2738.05,4226
1V8 on PWR (split plane): 1254.8,2673.31 1254.8,2550.62 1232.33,2528.16 1216.39,2528.16 1005.04,2528.16 1003.09,2527.77 1001.43,2526.67 868.5,2393.74 430.45,1955.69 429.35,1954.03 428.96,1952.08 428.96,833.32 428.96,182.28 429.34,180.33 430.45,178.67 432.1,177.57 434.05,177.18 1266.77,177.18 1268.72,177.57 1270.37,178.67 1346.22,254.52 1347.32,256.17 1347.71,258.13 1347.71,654.24 1382.41,688.94 1432.79,688.94 1448.64,673.09 1448.64,427.81 1430.64,409.8 1429.54,408.15 1429.15,406.2 1429.15,362.41 1429.54,360.46 1430.64,358.8 1453.41,336.04 1455.06,334.93 1457.01,334.54 1673.36,334.54 1675.31,334.93 1676.96,336.04 1722.71,381.78 1723.81,383.44 1724.2,385.39 1724.2,416.72 1723.81,418.67 1722.71,420.33 1701.95,441.09 1701.95,463.41 1774.45,463.41 1837.44,400.41 1837.44,155.13 1837.83,153.18 1838.94,151.53 1858.83,131.63 1860.48,130.53 1862.44,130.14 1928.71,130.14 1930.66,130.53 1932.31,131.63 2087.83,287.15 2088.93,288.8 2089.32,290.75 2089.32,381.38 2088.93,383.33 2087.83,384.99 1990.35,482.46 1990.35,680.97 2002.12,692.74 2032.01,692.74 2042.01,682.74 2042.01,555.94 2042.4,553.99 2043.5,552.34 2106.83,489.01 2108.48,487.91 2110.43,487.52 2272,487.52 2309.72,449.8 2276.51,416.59 2178.46,416.59 2176.51,416.2 2174.85,415.1 2161.24,401.48 2160.13,399.83 2159.74,397.88 2159.74,20.47 81.53,20.47 81.08,20.52 81.08,20.47 80.92,20.47 80.69,20.45 74.5,20.8 68.01,21.9 61.68,23.73 55.6,26.25 49.83,29.43 44.46,33.24 39.55,37.63 35.16,42.54 31.35,47.92 28.16,53.68 25.64,59.76 23.82,66.09 22.72,72.59 22.38,78.59 22.44,79.16 22.34,2629.41 677.06,2629.41 679.01,2629.8 680.66,2630.9 749.55,2699.79 1228.32,2699.79

## Keep-outs
Keep-Out Layer:
  lines w10: 2.29,79.52 2.29,4167.3 cw(c81.13,4167.4) 81.03,4246.24 ; 2.34,79.37 ccw(c81.18,79.27) 81.08,0.42 2679.35,0.42 ccw(c2679.25,79.27) 2758.09,79.37 ; 81.03,4246.2 2679.3,4246.2 cw(c2679.2,4167.35) 2758.05,4167.25 ; 2758.09,79.32 2758.09,4167.1

## Other copper
PWR (plane layer: these items are gaps in the copper):
  lines w10: 0.6,2634.5 677.06,2634.5 747.44,2704.88 1230.43,2704.88 1259.89,2675.42 1259.89,2548.51 1234.45,2523.06 1216.39,2523.06 1005.04,2523.06 872.11,2390.14 434.06,1952.08 434.05,833.32 434.05,182.28 1266.77,182.28 1342.61,258.13 1342.61,656.35 1380.3,694.04 1434.9,694.04 1453.74,675.2 1453.74,425.69 1434.25,406.2 1434.25,362.41 1457.01,339.64 1673.36,339.64 1719.1,385.39 1719.1,416.72 1696.85,438.98 1696.85,468.5 1776.56,468.5 1842.54,402.52 1842.54,155.13 1862.44,135.24 1928.71,135.24 2084.22,290.75 2084.22,381.38 1985.26,480.35 1985.26,683.08 2000.01,697.83 2034.12,697.83 2047.11,684.85 2047.11,555.94 2110.43,492.62 2274.11,492.62 2316.93,449.8 2278.62,411.49 2178.46,411.49 2164.84,397.88 2164.84,0.34

## Silkscreen, mask and mechanical layers (free items; w line width, h text height)
Top Overlay:
  rectangle: 1708.96,4004.84 1984.55,4201.69
  lines w3.94: 1294.53,216.29 1298.69,220.45 1415.86,220.45 1462.4,266.99 1462.4,284.47 ; 1392.11,1006.75 1392.11,921.59 1485.75,921.59 1496.15,911.18 1496.15,869.21 1507.64,857.73 1507.64,848.04 ; 1846.51,832.37 1846.51,766.11 1856.13,756.49 2041.85,756.49 2050.59,747.75 ; 1879.06,150.21 1956.31,150.21 2034.11,228.01 2034.11,270.66 2055.85,292.39 ; 2007.04,749.35 2007.04,755.92
  lines w8: 505.84,138.38 505.84,247.54 540.88,212.5 617.13,212.5
  lines w10: 734.35,2981.04 796.1,2981.04 ; 829.6,2369.43 796.41,2402.62 796.41,3077.96 829.6,3111.15
  text "HS #" at 2007.3,4118.57 h39.37
  text "+" at 490.77,3991.45 h60
  text "-" at 1008.04,3983.54 h60
  text "5V" at 421.82,3862.39 h60
  text "GND / TP" at 1792.44,3826.43 h30
  text "5V CHOICE" at 869.09,3634.02 h30
  text "5V_USB" at 1293.78,3624.43 h30 r90
  text "5V CONN" at 603.78,3600.65 h30
  text "USB RX" at 1471.26,3449.84 h31.5 r90
  text "USB TX" at 1374.12,3448.62 h31.5 r90
  text "5V TO  / NUC" at 596.07,3082.25 h30
  text "5V" at 945.89,3052.3 h25 r90
  text "5V / POL / TP" at 1362.02,3048.84 h31.5
  text "POWER / TP" at 575.13,2936.14 h30
  text "SCL" at 1583.41,2880.22 h30
  text "INT" at 613.65,2879.27 h30
  text "SDA" at 1468.69,2823.28 h30
  text "3V3_INT" at 942.13,2822.11 h25 r90
  text "Rx" at 1950.31,2769.46 h30
  text "UART" at 1974.61,2725.54 h30
  text "3V3" at 942.13,2715.02 h25 r90
  text "Tx" at 1957,2670.06 h30
  text "3V3 CHOICE" at 771.36,2543.47 h30 r90
  text "3V3_NUC" at 942.13,2503.15 h25 r90
  text "NUC" at 612.97,2473.41 h30
  text "SCL" at 2007.19,2449.46 h30 r90
  text "GND / TP" at 2029.85,2441.18 h30
  text "1V8" at 942.13,2398.73 h25 r90
  text "IMU_INT2" at 1605.84,2380.82 h30
  text "IMU_INT1" at 1601.99,2282.4 h30
  text "SPI MEM" at 1007.03,1458.97 h30 r90
  text "WIFI" at 1111.63,952.3 h31.5 r90
  text "RESET" at 1262.35,115.83 h31.5 r90
Bottom Overlay:
  text ".Project_Name" at 1618.12,2961.75 h78.74
  text "Revision .Project_Revision" at 1619.15,2891.09 h40
  text "Designed by: / .Project_Designer1 / .Project_Designer2 / .Project_Designer3" at 1586.08,2643.48 h36
Board Outline:
  lines w5: 2.19,79.12 2.19,4167.3 cw(c80.93,4167.3) 80.93,4246.04 2679.35,4246.04 ; 2.34,79.16 ccw(c81.08,79.16) 81.08,0.42 ; 80.92,0.38 2679.35,0.38 ; 2679.35,0.42 ccw(c2679.35,79.16) 2758.09,79.16 2758.09,4167.09 ccw(c2679.35,4167.09) 2679.35,4245.83
Route Tool Path:
  lines w100: 80.93,4296.04 ccw(c80.93,4167.3) -47.82,4167.3 ; 984.25,4296.04 1781.78,4296.02 ; -47.82,4167.3 ccw(c2.19,4167.3) -47.82,4167.3 ; -47.82,4167.3 ccw(c2.19,4167.3) -47.82,4167.3 ; -47.82,4167.3 -47.66,79.16 ; -47.66,79.16 ccw(c81.08,79.16) 78.12,-49.54 ; -47.66,79.16 ccw(c81.08,79.16) -47.66,79.16 ; -47.66,79.16 ccw(c81.08,79.16) -47.66,79.16 ; -47.66,79.16 -47.66,79.16 ; -47.66,79.16 -47.66,79.16 ; 78.12,-49.54 ccw(c80.92,0.38) 80.92,-49.62 cw(c80.92,0.38) 78.12,-49.54 ; 2685.1,-49.29 ccw(c2679.35,79.32) 2808.09,78.81 ; 2685.1,-49.29 cw(c2679.35,0.38) 2679.35,-49.62 ccw(c2679.35,0.38) 2685.1,-49.29 ; 2685.11,4295.71 cw(c2679.35,4167.09) 2808.09,4167.09 ; 2685.11,4295.71 ccw(c2679.35,4246.04) 2679.35,4296.04 cw(c2679.35,4246.04) 2685.11,4295.71 ; 2808.09,78.81 ccw(c2758.09,79.12) 2808.09,79.12 ; 2808.09,78.81 ccw(c2679.35,79.32) 2808.09,79.12 ; 2808.09,78.81 ccw(c2758.09,79.12) 2808.09,79.12 ; 2808.09,79.12 ccw(c2679.35,79.32) 2808.09,79.32 ; 2808.09,79.12 2808.09,79.32 ; 2808.09,79.12 2808.09,79.32 ; 2808.09,79.32 2808.09,4166.56 ; 2808.09,79.32 2808.09,79.32 ; 2808.09,4166.56 ccw(c2758.09,4167.09) 2808.09,4167.09 ; 2808.09,4166.56 ccw(c2758.09,4167.09) 2808.09,4167.09

## Text inside footprints (layer, text, board x,y; h text height)
J10: Top Assembly "Board Edge" at 1494.04,4283.06 h23.62 r180
S2: Top Assembly "1" at 1693.18,3026.59 h27.56 r270; Top Assembly "E" at 1643.97,3026.59 h27.56 r270
U13: Bottom Overlay "C12" at 2434.63,453.94 h19.68 r270; Bottom Overlay "C11" at 303.81,454.82 h19.68 r270; Bottom Overlay "NUCLEO / F426ZI" at 1805.01,3091.8 h118.11; Bottom Overlay "C7" at 2142.51,3010.49 h19.68 r270; Bottom Overlay "C10" at 2144.09,1252.14 h19.68 r270; Bottom Overlay "C8" at 592.58,2849.66 h19.68 r270; Bottom Overlay "C9" at 597.39,1256.4 h19.68 r270